# Altium PCB PCB1.PcbDoc (part 3 of 4)
Units mm, origin at the board's own origin, x right, y up, seen from the top; angles counter-clockwise.
Board outline 125.6 x 103.5 mm, 2 copper layers (Top Layer, Bottom Layer); 202 components, 80 nets, 607 pads, 3510 vias.
Unrouted connection lines stored in the file: 2.
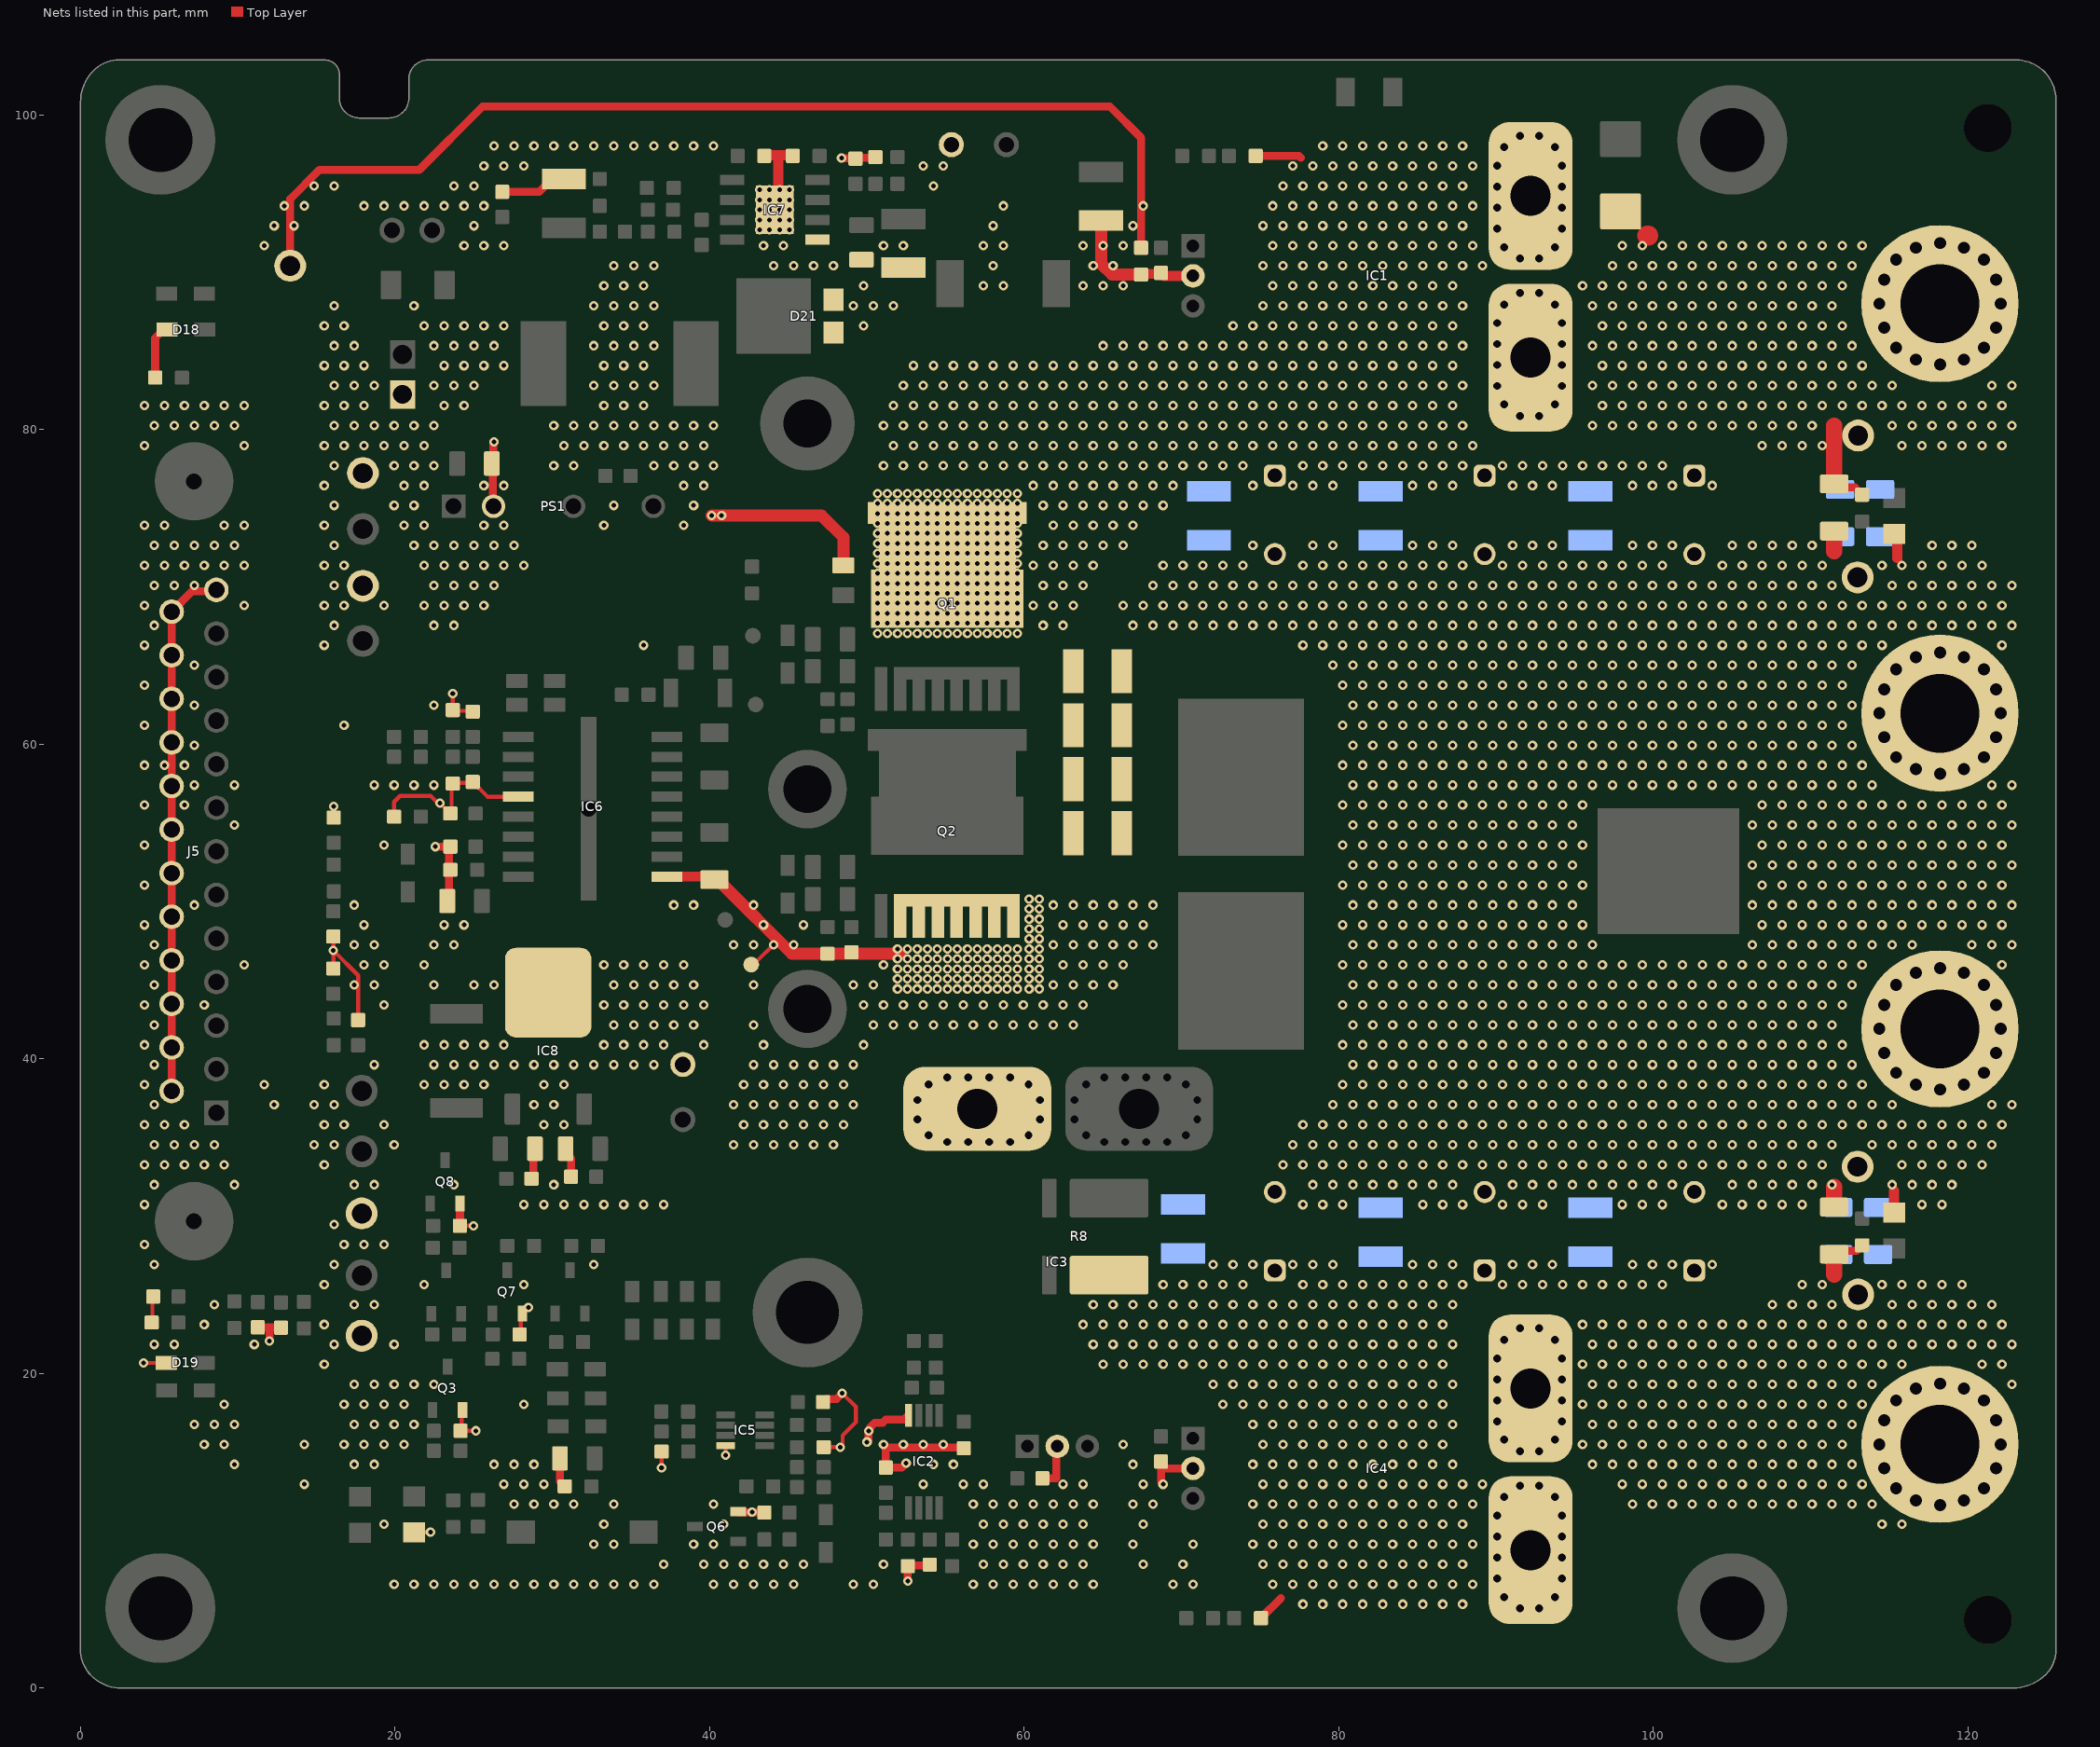
[diagram p3: the nets of this part, all layers, seen from the top]

## Via types
v1: diameter 0.6, hole 0.3, Top Layer to Bottom Layer, tented both sides, 3446 vias
v2: diameter 1.016, hole 0.762, Top Layer to Bottom Layer, tented both sides, 48 vias
v3: diameter 0.762, hole 0.762, Top Layer to Bottom Layer, tented both sides, 16 vias

## Nets (pads, with @x,y where several pads share a name; then routed paths per layer and width w, separated by ;. In a path a pad name is that pad's centre, name@x,y a point inside that pad or via, vN(x,y) a via of type N, cw(c..) or ccw(c..) an arc to the next point about the centre after c; other vN are vias at no path point) (continued)
P_GND: C1.1 C2.1 C3.1 C4.1 C6.1 C7.2 C8.1 C9.1 C10.1 C11.2 C12.2 C13.2 C15.1 C16.1 C17.1 C18.2 C19.2 C20.2 C21.1 C22.1 C23.1 C24.1 C25.1 C26.1 C27.1 C28.1 C30.1 C31.1 C32.2 C33.2 C34.2 C35.2 C36.1 C37.1 C38.1 C39.1 C40.1 C41.1 C42.1 C43.1 C44.1 C46.2 C47.1 C48.1 C49.1 C50.1 C51.1 C52.2 C55.1 C56.1 C57.1 C58.1 C59.2 C60.1 D18.1 D19.1 D21.1 D21.2 D22.1 IC1.2 IC2.4 IC3.2 IC4.2 IC5.4 IC6.4 IC6.9 IC7.1 IC7.9 IC8.2 J2.1 J4.1 J5.13 J5.14 J5.15 J5.16 J5.17 J5.18 J5.19 J5.20 J5.21 J5.22 J5.23 J5.24 J5.25 J7.2 LED1.2 LED2.2 NTC1.1 PS1.2 Q2.2 Q2.3 Q2.4 Q2.5 Q2.6 Q2.7 Q2.8 Q2.A2 Q3.2 Q6.2 Q7.2 Q8.2 R2.2 R5.1 R9.1 R9.2 R12.1 R16.1 R18.1 R20.2 R22.2 R32.1 R33.1 R34.2 R37.1 R39.1 R42.1 R45.1 R47.1 R48.1 R57.1 R58.1 R60.1 R62.1 R64.1 TP6.1 TP7.1 TP8.1 TP10.1 TP12.1 TP15.1 TP16.1 TP18.1 | length 241.8
  Top Layer w0.254: v1(4.013,20.676) D19.1@5.455,20.676 ; R58.1@4.523,23.241 4.573,23.291 4.573,24.842 C43.1@4.623,24.892 ; C41.1@16.078,45.745 v1(16.078,46.888) ; C42.1@16.078,47.777 v1(16.078,46.888) ; C32.2@16.104,55.346 v1(16.104,56.058) ; C39.1@17.653,42.469 17.653,45.314 v1(16.078,46.888) ; R39.1@19.94,55.397 19.94,56.338 20.32,56.718 22.265,56.718 22.723,56.261 v1(22.86,56.261) C37.1@23.52,55.601 23.596,55.677 23.596,57.432 R32.1@23.672,57.507 23.722,57.557 24.892,57.557 C33.2@24.942,57.607 25.882,56.667 IC6.4@27.837,56.667 ; D22.1@21.209,9.906 v1(22.25,9.906) ; v1(23.672,63.22) R33.1@23.672,62.177 23.722,62.127 24.892,62.127 C34.2@24.942,62.077 ; R48.1@24.124,29.391 v1(24.986,29.391) ; Q3.2@24.293,17.675 24.23,17.612 24.23,16.421 R34.2@24.167,16.358 v1(25.136,16.358) ; R47.1@27.921,22.477 28.005,22.562 28.005,23.737 Q7.2@28.09,23.822 v1(28.475,24.206) ; v1(36.946,14.006) R20.2@36.946,15.037 ; v1(41.016,14.815) IC5.4@41.016,15.408 ; TP6.1@42.647,45.999 42.799,45.999 44.323,47.523 ; R22.2@47.255,15.316 v1(48.316,15.316) 48.362,15.316 48.459,15.413 48.459,16.062 49.301,16.904 49.301,17.882 v1(48.438,18.745)
  Top Layer w0.508: R57.1@4.75,83.312 4.75,85.829 5.281,86.36 D18.1@5.506,86.36 ; J5.14@5.796,37.961 J5.15@5.796,40.731 J5.16@5.796,43.501 J5.17@5.796,46.271 J5.18@5.796,49.041 J5.19@5.796,51.811 J5.20@5.796,54.581 J5.21@5.796,57.351 J5.22@5.796,60.121 J5.23@5.796,62.891 J5.24@5.796,65.661 J5.25@5.796,68.431 7.094,69.729 8.549,69.729 J5.13@8.636,69.816 ; C40.1@11.278,22.936 11.29,22.924 12.014,22.924 ; v1(12.014,22.073) 12.014,22.924 ; C44.1@12.751,22.911 12.738,22.924 12.014,22.924 ; TP15.1@13.335,90.424 13.335,94.666 15.189,96.52 21.539,96.52 25.578,100.559 65.439,100.559 67.437,98.561 R9.1@67.437,91.567 ; v1(22.555,53.492) 23.327,53.492 23.424,53.396 23.424,50.135 C31.1@23.327,50.038 ; R48.1@24.124,29.391 24.13,29.397 24.13,30.804 Q8.2@24.135,30.81 ; PS1.2@26.264,75.133 26.208,75.189 26.208,77.795 C60.1@26.152,77.851 26.24,77.939 26.24,79.174 v1(26.289,79.223) ; C51.1@26.822,95.123 29.17,95.123 29.984,95.937 C50.1@30.734,95.937 ; C55.1@28.676,32.385 28.786,32.494 28.786,34.181 C56.1@28.895,34.29 ; C36.1@30.49,14.605 30.49,13.124 R37.1@30.787,12.827 ; C58.1@30.845,34.29 30.845,34.015 31.191,33.669 C57.1@31.191,32.512 ; Q6.2@41.812,11.212 41.842,11.181 v1(42.697,11.181) 43.454,11.181 R45.1@43.485,11.151 ; C30.1@47.218,18.186 47.414,18.382 48.075,18.382 v1(48.438,18.745) ; v1(48.387,97.282) 48.405,97.264 49.309,97.264 49.326,97.281 50.496,97.281 R60.1@50.546,97.331 ; v1(50.013,15.646) 50.013,15.671 50.092,15.75 50.092,16.319 v1(50.109,16.337) ; v1@50.19,16.337 50.19,16.561 50.502,16.873 51.01,16.873 51.206,17.069 52.373,17.069 IC2.4@52.597,17.293 ; v1(52.502,14.3) 52.222,14.021 C7.2@51.206,14.021 51.206,15.369 51.27,15.305 56.096,15.305 R2.2@56.159,15.242 ; v1(52.603,6.807) R5.1@52.603,7.749 52.653,7.799 53.95,7.799 C6.1@54,7.849 ; C23.1@61.163,13.335 62.052,13.335 IC3.2@62.052,15.311 ; v1@68.707,13.13 C24.1@68.707,13.965 ; C24.1@68.707,14.402 C24.1@68.707,13.965 ; IC4.2@70.739,13.965 C24.1@68.707,13.965
  Top Layer w0.635: IC6.9@37.287,51.587 39.676,51.587 40.009,51.254 C35.2@40.159,51.254 ; R64.1@43.483,97.409 43.525,97.451 44.365,97.451 ; IC7.9@44.151,93.98 44.151,94.316 v1(44.45,94.615) ; IC7.9@44.151,94.615 IC7.9@44.151,95.25 ; v1(44.45,95.25) 44.365,95.335 44.365,97.451 ; R62.1@45.29,97.409 45.248,97.451 44.365,97.451 ; IC3.2@62.052,15.311 IC3.2@62.108,15.367 ; R9.2@67.487,89.917 68.657,89.917 C8.1@68.707,89.967 68.892,89.782 IC1.2@70.739,89.782 ; v1(111.379,32.004) v1@111.506,31.877 ; LED2.2@115.316,30.226 115.316,31.623 ; 115.519,71.831 LED1.2@115.519,73.355
  Top Layer w0.762: v1(40.132,74.549) v1(40.767,74.549) 47.117,74.549 48.514,73.152 NTC1.1@48.514,71.369 ; C35.2@40.309,51.397 40.609,51.397 40.828,51.178 40.828,51.094 45.236,46.687 R18.1@47.498,46.687 52.119,46.687 ; C49.1@64.897,93.293 64.897,90.551 65.581,89.867 R9.2@67.437,89.867
  Top Layer w1.016: R16.1@111.506,30.583 v1@111.506,31.877 ; 111.506,72.263 R12.1@111.506,73.557
  other v1: 19.939,6.604 21.209,6.604 22.479,6.604 23.749,6.604 25.019,6.604 26.289,6.604 27.559,6.604 28.829,6.604 30.099,6.604 31.369,6.604 32.639,6.604 33.909,6.604 35.179,6.604 36.449,6.604 40.259,6.604 41.529,6.604 42.799,6.604 44.069,6.604 45.339,6.604 49.149,6.604 50.419,6.604 56.769,6.604 58.039,6.604 59.309,6.604 60.579,6.604 61.849,6.604 63.119,6.604 64.389,6.604 69.469,6.604 70.739,6.604 37.084,7.874 39.624,7.874 40.894,7.874 42.164,7.874 43.434,7.874 44.704,7.874 45.974,7.874 51.054,7.874 57.404,7.874 58.674,7.874 59.944,7.874 61.214,7.874 62.484,7.874 63.754,7.874 67.564,7.874 70.104,7.874 32.639,9.144 33.909,9.144 38.989,9.144 40.259,9.144 56.769,9.144 58.039,9.144 59.309,9.144 60.579,9.144 61.849,9.144 63.119,9.144 64.389,9.144 66.929,9.144 70.739,9.144 19.304,10.414 33.274,10.414 40.894,10.414 57.404,10.414 58.674,10.414 59.944,10.414 61.214,10.414 62.484,10.414 63.754,10.414 67.564,10.414 27.559,11.684 28.829,11.684 30.099,11.684 31.369,11.684 33.909,11.684 40.259,11.684 56.769,11.684 58.039,11.684 59.309,11.684 60.579,11.684 61.849,11.684 63.119,11.684 64.389,11.684 66.929,11.684 68.199,11.684 14.224,12.954 26.924,12.954 28.194,12.954 29.464,12.954 53.594,12.954 56.134,12.954 57.404,12.954 62.484,12.954 63.754,12.954 67.564,12.954 68.834,12.954 9.779,14.224 17.399,14.224 18.669,14.224 26.289,14.224 27.559,14.224 28.829,14.224 54.229,14.224 55.499,14.224 66.929,14.224 7.874,15.494 9.144,15.494 14.224,15.494 16.764,15.494 18.034,15.494 19.304,15.494 20.574,15.494 51.054,15.494 52.324,15.494 53.594,15.494 54.864,15.494 66.294,15.494 7.239,16.764 8.509,16.764 9.779,16.764 17.399,16.764 18.669,16.764 19.939,16.764 21.209,16.764 9.144,18.034 16.764,18.034 18.034,18.034 19.304,18.034 20.574,18.034 28.194,18.034 17.399,19.304 18.669,19.304 19.939,19.304 21.209,19.304 22.479,19.304 15.494,20.574 4.699,21.844 5.969,21.844 11.049,21.844 16.129,21.844 19.939,21.844 7.874,23.114 15.494,23.114 8.509,24.384 17.399,24.384 18.669,24.384 15.494,25.654 21.844,25.654 28.194,25.654 4.699,26.924 16.129,26.924 32.639,26.924 4.064,28.194 16.764,28.194 18.034,28.194 19.304,28.194 16.129,29.464 4.064,30.734 28.194,30.734 29.464,30.734 30.734,30.734 32.004,30.734 33.274,30.734 34.544,30.734 35.814,30.734 37.084,30.734 77.724,30.734 78.994,30.734 80.264,30.734 85.344,30.734 86.614,30.734 87.884,30.734 90.424,30.734 91.694,30.734 92.964,30.734 98.044,30.734 99.314,30.734 100.584,30.734 104.394,30.734 105.664,30.734 106.934,30.734 108.204,30.734 109.474,30.734 117.094,30.734 118.364,30.734 4.699,32.004 9.779,32.004 17.399,32.004 18.669,32.004 23.749,32.004 30.099,32.004 78.359,32.004 79.629,32.004 80.899,32.004 82.169,32.004 83.439,32.004 84.709,32.004 85.979,32.004 87.249,32.004 91.059,32.004 92.329,32.004 93.599,32.004 94.869,32.004 96.139,32.004 97.409,32.004 98.679,32.004 99.949,32.004 101.219,32.004 105.029,32.004 106.299,32.004 107.569,32.004 108.839,32.004 110.109,32.004 115.189,32.004 116.459,32.004 117.729,32.004 118.999,32.004 4.064,33.274 5.334,33.274 6.604,33.274 7.874,33.274 9.144,33.274 15.494,33.274 76.454,33.274 77.724,33.274 78.994,33.274 80.264,33.274 81.534,33.274 82.804,33.274 84.074,33.274 85.344,33.274 86.614,33.274 87.884,33.274 89.154,33.274 90.424,33.274 91.694,33.274 92.964,33.274 94.234,33.274 95.504,33.274 96.774,33.274 98.044,33.274 99.314,33.274 100.584,33.274 101.854,33.274 103.124,33.274 104.394,33.274 105.664,33.274 106.934,33.274 108.204,33.274 109.474,33.274 110.744,33.274 115.824,33.274 117.094,33.274 118.364,33.274 119.634,33.274 120.904,33.274 4.699,34.544 5.969,34.544 7.239,34.544 8.509,34.544 14.859,34.544 16.129,34.544 19.939,34.544 41.529,34.544 42.799,34.544 44.069,34.544 45.339,34.544 46.609,34.544 47.879,34.544 77.089,34.544 78.359,34.544 79.629,34.544 80.899,34.544 82.169,34.544 83.439,34.544 84.709,34.544 85.979,34.544 87.249,34.544 88.519,34.544 89.789,34.544 91.059,34.544 92.329,34.544 93.599,34.544 94.869,34.544 96.139,34.544 97.409,34.544 98.679,34.544 99.949,34.544 101.219,34.544 102.489,34.544 103.759,34.544 105.029,34.544 106.299,34.544 107.569,34.544 108.839,34.544 110.109,34.544 111.379,34.544 113.919,34.544 115.189,34.544 116.459,34.544 117.729,34.544 118.999,34.544 120.269,34.544 121.539,34.544 4.064,35.814 5.334,35.814 6.604,35.814 15.494,35.814 16.764,35.814 19.304,35.814 29.464,35.814 30.734,35.814 42.164,35.814 43.434,35.814 44.704,35.814 45.974,35.814 47.244,35.814 48.514,35.814 77.724,35.814 78.994,35.814 80.264,35.814 81.534,35.814 82.804,35.814 84.074,35.814 85.344,35.814 86.614,35.814 87.884,35.814 89.154,35.814 90.424,35.814 91.694,35.814 92.964,35.814 94.234,35.814 95.504,35.814 96.774,35.814 98.044,35.814 99.314,35.814 100.584,35.814 101.854,35.814 103.124,35.814 104.394,35.814 105.664,35.814 106.934,35.814 108.204,35.814 109.474,35.814 110.744,35.814 112.014,35.814 113.284,35.814 114.554,35.814 115.824,35.814 117.094,35.814 118.364,35.814 119.634,35.814 120.904,35.814 122.174,35.814 4.699,37.084 12.319,37.084 14.859,37.084 16.129,37.084 28.829,37.084 30.099,37.084 41.529,37.084 42.799,37.084 44.069,37.084 45.339,37.084 46.609,37.084 47.879,37.084 49.149,37.084 79.629,37.084 80.899,37.084 82.169,37.084 83.439,37.084 84.709,37.084 85.979,37.084 87.249,37.084 88.519,37.084 89.789,37.084 91.059,37.084 92.329,37.084 93.599,37.084 94.869,37.084 96.139,37.084 97.409,37.084 98.679,37.084 99.949,37.084 101.219,37.084 102.489,37.084 103.759,37.084 105.029,37.084 106.299,37.084 107.569,37.084 108.839,37.084 110.109,37.084 111.379,37.084 112.649,37.084 113.919,37.084 115.189,37.084 121.539,37.084 122.809,37.084 4.064,38.354 11.684,38.354 15.494,38.354 21.844,38.354 23.114,38.354 24.384,38.354 25.654,38.354 29.464,38.354 30.734,38.354 42.164,38.354 43.434,38.354 44.704,38.354 45.974,38.354 47.244,38.354 48.514,38.354 80.264,38.354 81.534,38.354 82.804,38.354 84.074,38.354 85.344,38.354 86.614,38.354 87.884,38.354 89.154,38.354 90.424,38.354 91.694,38.354 92.964,38.354 94.234,38.354 95.504,38.354 96.774,38.354 98.044,38.354 99.314,38.354 100.584,38.354 101.854,38.354 103.124,38.354 104.394,38.354 105.664,38.354 106.934,38.354 108.204,38.354 109.474,38.354 110.744,38.354 112.014,38.354 113.284,38.354 4.699,39.624 18.669,39.624 22.479,39.624 23.749,39.624 25.019,39.624 26.289,39.624 27.559,39.624 28.829,39.624 30.099,39.624 31.369,39.624 32.639,39.624 33.909,39.624 35.179,39.624 36.449,39.624 42.799,39.624 44.069,39.624 45.339,39.624 46.609,39.624 47.879,39.624 49.149,39.624 80.899,39.624 82.169,39.624 83.439,39.624 84.709,39.624 85.979,39.624 87.249,39.624 88.519,39.624 89.789,39.624 91.059,39.624 92.329,39.624 93.599,39.624 94.869,39.624 96.139,39.624 97.409,39.624 98.679,39.624 99.949,39.624 101.219,39.624 102.489,39.624 103.759,39.624 105.029,39.624 106.299,39.624 107.569,39.624 108.839,39.624 110.109,39.624 111.379,39.624 112.649,39.624 4.064,40.894 21.844,40.894 23.114,40.894 24.384,40.894 25.654,40.894 26.924,40.894 33.274,40.894 34.544,40.894 35.814,40.894 37.084,40.894 39.624,40.894 43.434,40.894 49.784,40.894 80.264,40.894 81.534,40.894 82.804,40.894 84.074,40.894 85.344,40.894 86.614,40.894 87.884,40.894 89.154,40.894 90.424,40.894 91.694,40.894 92.964,40.894 94.234,40.894 95.504,40.894 96.774,40.894 98.044,40.894 99.314,40.894 100.584,40.894 101.854,40.894 103.124,40.894 104.394,40.894 105.664,40.894 106.934,40.894 108.204,40.894 109.474,40.894 110.744,40.894 112.014,40.894 4.699,42.164 33.909,42.164 35.179,42.164 36.449,42.164 37.719,42.164 38.989,42.164 42.799,42.164 50.419,42.164 51.689,42.164 52.959,42.164 54.229,42.164 55.499,42.164 56.769,42.164 58.039,42.164 59.309,42.164 60.579,42.164 61.849,42.164 63.119,42.164 80.899,42.164 82.169,42.164 83.439,42.164 84.709,42.164 85.979,42.164 87.249,42.164 88.519,42.164 89.789,42.164 91.059,42.164 92.329,42.164 93.599,42.164 94.869,42.164 96.139,42.164 97.409,42.164 98.679,42.164 99.949,42.164 101.219,42.164 102.489,42.164 103.759,42.164 105.029,42.164 106.299,42.164 107.569,42.164 108.839,42.164 110.109,42.164 111.379,42.164 4.064,43.434 7.874,43.434 19.304,43.434 33.274,43.434 34.544,43.434 35.814,43.434 37.084,43.434 38.354,43.434 39.624,43.434 49.784,43.434 51.054,43.434 52.324,43.434 53.594,43.434 54.864,43.434 56.134,43.434 57.404,43.434 58.674,43.434 59.944,43.434 61.214,43.434 62.484,43.434 63.754,43.434 80.264,43.434 81.534,43.434 82.804,43.434 84.074,43.434 85.344,43.434 86.614,43.434 87.884,43.434 89.154,43.434 90.424,43.434 91.694,43.434 92.964,43.434 94.234,43.434 95.504,43.434 96.774,43.434 98.044,43.434 99.314,43.434 100.584,43.434 101.854,43.434 103.124,43.434 104.394,43.434 105.664,43.434 106.934,43.434 108.204,43.434 109.474,43.434 110.744,43.434 112.014,43.434 51.943,44.45 52.578,44.45 53.213,44.45 53.848,44.45 54.483,44.45 55.118,44.45 55.753,44.45 56.388,44.45 57.023,44.45 57.658,44.45 58.293,44.45 58.928,44.45 59.563,44.45 60.325,44.45 60.96,44.45 4.699,44.704 17.399,44.704 18.669,44.704 22.479,44.704 25.019,44.704 26.289,44.704 33.909,44.704 35.179,44.704 36.449,44.704 37.719,44.704 38.989,44.704 42.799,44.704 49.149,44.704 50.419,44.704 61.849,44.704 63.119,44.704 64.389,44.704 65.659,44.704 80.899,44.704 82.169,44.704 83.439,44.704 84.709,44.704 85.979,44.704 87.249,44.704 88.519,44.704 89.789,44.704 91.059,44.704 92.329,44.704 93.599,44.704 94.869,44.704 96.139,44.704 97.409,44.704 98.679,44.704 99.949,44.704 101.219,44.704 102.489,44.704 103.759,44.704 105.029,44.704 106.299,44.704 107.569,44.704 108.839,44.704 110.109,44.704 111.379,44.704 112.649,44.704 51.943,45.085 52.578,45.085 53.213,45.085 53.848,45.085 54.483,45.085 55.118,45.085 55.753,45.085 56.388,45.085 57.023,45.085 57.658,45.085 58.293,45.085 58.928,45.085 59.563,45.085 60.325,45.085 60.96,45.085 51.943,45.72 52.578,45.72 53.213,45.72 53.848,45.72 54.483,45.72 55.118,45.72 55.753,45.72 56.388,45.72 57.023,45.72 57.658,45.72 58.293,45.72 58.928,45.72 59.563,45.72 60.325,45.72 60.96,45.72 4.064,45.974 10.414,45.974 18.034,45.974 19.304,45.974 21.844,45.974 33.274,45.974 34.544,45.974 35.814,45.974 37.084,45.974 38.354,45.974 51.054,45.974 62.484,45.974 63.754,45.974 65.024,45.974 66.294,45.974 80.264,45.974 81.534,45.974 82.804,45.974 84.074,45.974 85.344,45.974 86.614,45.974 87.884,45.974 89.154,45.974 90.424,45.974 91.694,45.974 92.964,45.974 94.234,45.974 95.504,45.974 96.774,45.974 98.044,45.974 99.314,45.974 100.584,45.974 101.854,45.974 103.124,45.974 104.394,45.974 105.664,45.974 106.934,45.974 108.204,45.974 109.474,45.974 110.744,45.974 112.014,45.974 113.284,45.974 122.174,45.974 51.943,46.355 52.578,46.355 53.213,46.355 53.848,46.355 54.483,46.355 55.118,46.355 55.753,46.355 56.388,46.355 57.023,46.355 57.658,46.355 58.293,46.355 58.928,46.355 59.563,46.355 60.325,46.355 60.96,46.355 51.943,46.99 52.578,46.99 53.213,46.99 53.848,46.99 54.483,46.99 55.118,46.99 55.753,46.99 56.388,46.99 57.023,46.99 57.658,46.99 58.293,46.99 58.928,46.99 59.563,46.99 60.325,46.99 60.96,46.99 4.699,47.244 17.399,47.244 18.669,47.244 22.479,47.244 23.749,47.244 41.529,47.244 42.799,47.244 44.069,47.244 45.339,47.244 61.849,47.244 63.119,47.244 64.389,47.244 65.659,47.244 66.929,47.244 68.199,47.244 80.899,47.244 82.169,47.244 83.439,47.244 84.709,47.244 85.979,47.244 87.249,47.244 88.519,47.244 89.789,47.244 91.059,47.244 92.329,47.244 93.599,47.244 94.869,47.244 96.139,47.244 106.299,47.244 107.569,47.244 108.839,47.244 110.109,47.244 111.379,47.244 112.649,47.244 113.919,47.244 115.189,47.244 116.459,47.244 120.269,47.244 121.539,47.244 122.809,47.244 60.325,47.625 60.96,47.625 60.325,48.26 60.96,48.26 4.064,48.514 18.034,48.514 23.114,48.514 24.384,48.514 43.434,48.514 45.974,48.514 62.484,48.514 63.754,48.514 65.024,48.514 66.294,48.514 67.564,48.514 80.264,48.514 81.534,48.514 82.804,48.514 84.074,48.514 85.344,48.514 86.614,48.514 87.884,48.514 89.154,48.514 90.424,48.514 91.694,48.514 92.964,48.514 94.234,48.514 95.504,48.514 106.934,48.514 108.204,48.514 109.474,48.514 110.744,48.514 112.014,48.514 113.284,48.514 114.554,48.514 115.824,48.514 117.094,48.514 118.364,48.514 119.634,48.514 120.904,48.514 122.174,48.514 60.325,48.895 60.96,48.895 60.325,49.53 60.96,49.53 7.239,49.784 17.399,49.784 37.719,49.784 38.989,49.784 42.799,49.784 61.849,49.784 63.119,49.784 64.389,49.784 65.659,49.784 66.929,49.784 68.199,49.784 80.899,49.784 82.169,49.784 83.439,49.784 84.709,49.784 85.979,49.784 87.249,49.784 88.519,49.784 89.789,49.784 91.059,49.784 92.329,49.784 93.599,49.784 94.869,49.784 106.299,49.784 107.569,49.784 108.839,49.784 110.109,49.784 111.379,49.784 112.649,49.784 113.919,49.784 115.189,49.784 116.459,49.784 117.729,49.784 118.999,49.784 120.269,49.784 121.539,49.784 122.809,49.784 60.325,50.165 60.96,50.165 4.064,51.054 80.264,51.054 81.534,51.054 82.804,51.054 84.074,51.054 85.344,51.054 86.614,51.054 87.884,51.054 89.154,51.054 90.424,51.054 91.694,51.054 92.964,51.054 94.234,51.054 95.504,51.054 106.934,51.054 108.204,51.054 109.474,51.054 110.744,51.054 112.014,51.054 113.284,51.054 114.554,51.054 115.824,51.054 117.094,51.054 118.364,51.054 119.634,51.054 120.904,51.054 122.174,51.054 80.899,52.324 82.169,52.324 83.439,52.324 84.709,52.324 85.979,52.324 87.249,52.324 88.519,52.324 89.789,52.324 91.059,52.324 92.329,52.324 93.599,52.324 94.869,52.324 106.299,52.324 107.569,52.324 108.839,52.324 110.109,52.324 111.379,52.324 112.649,52.324 113.919,52.324 115.189,52.324 116.459,52.324 117.729,52.324 118.999,52.324 120.269,52.324 121.539,52.324 122.809,52.324 4.064,53.594 19.304,53.594 80.264,53.594 81.534,53.594 82.804,53.594 84.074,53.594 85.344,53.594 86.614,53.594 87.884,53.594 89.154,53.594 90.424,53.594 91.694,53.594 92.964,53.594 94.234,53.594 95.504,53.594 106.934,53.594 108.204,53.594 109.474,53.594 110.744,53.594 112.014,53.594 113.284,53.594 114.554,53.594 115.824,53.594 117.094,53.594 118.364,53.594 119.634,53.594 120.904,53.594 122.174,53.594 9.779,54.864 80.899,54.864 82.169,54.864 83.439,54.864 84.709,54.864 85.979,54.864 87.249,54.864 88.519,54.864 89.789,54.864 91.059,54.864 92.329,54.864 93.599,54.864 94.869,54.864 106.299,54.864 107.569,54.864 108.839,54.864 110.109,54.864 111.379,54.864 112.649,54.864 113.919,54.864 115.189,54.864 116.459,54.864 117.729,54.864 118.999,54.864 120.269,54.864 121.539,54.864 122.809,54.864 4.064,56.134 6.604,56.134 80.264,56.134 81.534,56.134 82.804,56.134 84.074,56.134 85.344,56.134 86.614,56.134 87.884,56.134 89.154,56.134 90.424,56.134 91.694,56.134 92.964,56.134 94.234,56.134 95.504,56.134 106.934,56.134 108.204,56.134 109.474,56.134 110.744,56.134 112.014,56.134 113.284,56.134 114.554,56.134 115.824,56.134 117.094,56.134 118.364,56.134 119.634,56.134 120.904,56.134 122.174,56.134 7.239,57.404 9.779,57.404 18.669,57.404 19.939,57.404 21.209,57.404 22.479,57.404 80.899,57.404 82.169,57.404 83.439,57.404 84.709,57.404 85.979,57.404 87.249,57.404 88.519,57.404 89.789,57.404 91.059,57.404 92.329,57.404 93.599,57.404 94.869,57.404 96.139,57.404 97.409,57.404 98.679,57.404 99.949,57.404 101.219,57.404 102.489,57.404 103.759,57.404 105.029,57.404 106.299,57.404 107.569,57.404 108.839,57.404 110.109,57.404 111.379,57.404 112.649,57.404 113.919,57.404 121.539,57.404 122.809,57.404 4.064,58.674 5.334,58.674 6.604,58.674 80.264,58.674 81.534,58.674 82.804,58.674 84.074,58.674 85.344,58.674 86.614,58.674 87.884,58.674 89.154,58.674 90.424,58.674 91.694,58.674 92.964,58.674 94.234,58.674 95.504,58.674 96.774,58.674 98.044,58.674 99.314,58.674 100.584,58.674 101.854,58.674 103.124,58.674 104.394,58.674 105.664,58.674 106.934,58.674 108.204,58.674 109.474,58.674 110.744,58.674 112.014,58.674 113.284,58.674 7.239,59.944 80.899,59.944 82.169,59.944 83.439,59.944 84.709,59.944 85.979,59.944 87.249,59.944 88.519,59.944 89.789,59.944 91.059,59.944 92.329,59.944 93.599,59.944 94.869,59.944 96.139,59.944 97.409,59.944 98.679,59.944 99.949,59.944 101.219,59.944 102.489,59.944 103.759,59.944 105.029,59.944 106.299,59.944 107.569,59.944 108.839,59.944 110.109,59.944 111.379,59.944 112.649,59.944 4.064,61.214 16.764,61.214 80.264,61.214 81.534,61.214 82.804,61.214 84.074,61.214 85.344,61.214 86.614,61.214 87.884,61.214 89.154,61.214 90.424,61.214 91.694,61.214 92.964,61.214 94.234,61.214 95.504,61.214 96.774,61.214 98.044,61.214 99.314,61.214 100.584,61.214 101.854,61.214 103.124,61.214 104.394,61.214 105.664,61.214 106.934,61.214 108.204,61.214 109.474,61.214 110.744,61.214 112.014,61.214 7.239,62.484 22.479,62.484 80.899,62.484 82.169,62.484 83.439,62.484 84.709,62.484 85.979,62.484 87.249,62.484 88.519,62.484 89.789,62.484 91.059,62.484 92.329,62.484 93.599,62.484 94.869,62.484 96.139,62.484 97.409,62.484 98.679,62.484 99.949,62.484 101.219,62.484 102.489,62.484 103.759,62.484 105.029,62.484 106.299,62.484 107.569,62.484 108.839,62.484 110.109,62.484 111.379,62.484 112.649,62.484 4.064,63.754 80.264,63.754 81.534,63.754 82.804,63.754 84.074,63.754 85.344,63.754 86.614,63.754 87.884,63.754 89.154,63.754 90.424,63.754 91.694,63.754 92.964,63.754 94.234,63.754 95.504,63.754 96.774,63.754 98.044,63.754 99.314,63.754 100.584,63.754 101.854,63.754 103.124,63.754 104.394,63.754 105.664,63.754 106.934,63.754 108.204,63.754 109.474,63.754 110.744,63.754 112.014,63.754 7.239,65.024 79.629,65.024 80.899,65.024 82.169,65.024 83.439,65.024 84.709,65.024 85.979,65.024 87.249,65.024 88.519,65.024 89.789,65.024 91.059,65.024 92.329,65.024 93.599,65.024 94.869,65.024 96.139,65.024 97.409,65.024 98.679,65.024 99.949,65.024 101.219,65.024 102.489,65.024 103.759,65.024 105.029,65.024 106.299,65.024 107.569,65.024 108.839,65.024 110.109,65.024 111.379,65.024 112.649,65.024 4.064,66.294 15.494,66.294 35.814,66.294 77.724,66.294 78.994,66.294 80.264,66.294 81.534,66.294 82.804,66.294 84.074,66.294 85.344,66.294 86.614,66.294 87.884,66.294 89.154,66.294 90.424,66.294 91.694,66.294 92.964,66.294 94.234,66.294 95.504,66.294 96.774,66.294 98.044,66.294 99.314,66.294 100.584,66.294 101.854,66.294 103.124,66.294 104.394,66.294 105.664,66.294 106.934,66.294 108.204,66.294 109.474,66.294 110.744,66.294 112.014,66.294 113.284,66.294 114.554,66.294 122.174,66.294 4.699,67.564 16.129,67.564 22.479,67.564 23.749,67.564 66.929,67.564 68.199,67.564 69.469,67.564 70.739,67.564 72.009,67.564 73.279,67.564 74.549,67.564 75.819,67.564 77.089,67.564 78.359,67.564 79.629,67.564 80.899,67.564 82.169,67.564 83.439,67.564 84.709,67.564 85.979,67.564 87.249,67.564 88.519,67.564 89.789,67.564 91.059,67.564 92.329,67.564 93.599,67.564 94.869,67.564 96.139,67.564 97.409,67.564 98.679,67.564 99.949,67.564 101.219,67.564 102.489,67.564 103.759,67.564 105.029,67.564 106.299,67.564 107.569,67.564 108.839,67.564 110.109,67.564 111.379,67.564 112.649,67.564 113.919,67.564 115.189,67.564 116.459,67.564 117.729,67.564 118.999,67.564 120.269,67.564 121.539,67.564 122.809,67.564 4.064,68.834 10.414,68.834 15.494,68.834 16.764,68.834 19.304,68.834 21.844,68.834 23.114,68.834 24.384,68.834 25.654,68.834 66.294,68.834 67.564,68.834 68.834,68.834 70.104,68.834 71.374,68.834 72.644,68.834 73.914,68.834 75.184,68.834 76.454,68.834 77.724,68.834 78.994,68.834 80.264,68.834 81.534,68.834 82.804,68.834 84.074,68.834 85.344,68.834 86.614,68.834 87.884,68.834 89.154,68.834 90.424,68.834 91.694,68.834 92.964,68.834 94.234,68.834 95.504,68.834 96.774,68.834 98.044,68.834 99.314,68.834 100.584,68.834 101.854,68.834 103.124,68.834 104.394,68.834 105.664,68.834 106.934,68.834 108.204,68.834 109.474,68.834 110.744,68.834 112.014,68.834 113.284,68.834 114.554,68.834 115.824,68.834 117.094,68.834 118.364,68.834 119.634,68.834 120.904,68.834 122.174,68.834 4.699,70.104 5.969,70.104 7.239,70.104 16.129,70.104 22.479,70.104 23.749,70.104 25.019,70.104 26.289,70.104 68.199,70.104 69.469,70.104 70.739,70.104 72.009,70.104 73.279,70.104 74.549,70.104 75.819,70.104 77.089,70.104 78.359,70.104 79.629,70.104 80.899,70.104 82.169,70.104 83.439,70.104 84.709,70.104 85.979,70.104 87.249,70.104 88.519,70.104 89.789,70.104 91.059,70.104 92.329,70.104 93.599,70.104 94.869,70.104 96.139,70.104 97.409,70.104 98.679,70.104 99.949,70.104 101.219,70.104 102.489,70.104 103.759,70.104 105.029,70.104 